# KiCad board Rogelio Pineda part 8-AMLDC-2044B.kicad_pcb (continued)
## Routing (per net, layer and track width the routed paths; a pad name or vN(x,y) marks a point on that pad's centre or on a via; arc(x,y) is an arc through that point) (continued)
H2p9: length 309.5
  Top w0.15: 170.09,184.77 169.52,181.04 169.47,179.7 169.32,178.26 ; 170.05,184.48 170.8,187.78 171.27,190.19 171.66,193.16 171.71,196.98 171.33,200.12 170.58,202.15 169.64,204.13 169.24,205.71 169.11,208.54 169.11,210.11 168.99,229.65 169.06,229.71 169.06,239.05 169.11,239.4 168.96,260.26 168.93,260.29 168.82,284.04 168.83,285.46 168.79,287.05 169.14,290.95 169.3,291.75 v1(169.61,293.65) 169.44,294.66 168.89,298.04 168.87,307.69 ; v1(168.53,110.16) 168.53,110.81 169.32,112.16 169.76,113.4 170.06,114.67 169.87,117.57 169.78,118.21 169.59,120.17 170.41,123.32 170.83,124.12 171.11,124.69 171.42,125.53 171.81,127.17 171.9,133.23 171.87,136.31 171.66,144.19 171.61,146.25 171.65,153.61 171.21,155.61 170.91,156.31 169.85,159.49 169.55,160.59 169.09,163.23 169.15,168.07 169.12,169.44 169.15,173.38 169.27,176.56 169.36,178.47 ; 168.87,307.36 168.67,322.38 168.84,331.67 168.93,346.07 168.93,347.48 169.02,352.39 169.02,354.71 169.92,356.81 170.12,357.28 v1(170.62,358.58)
  Bottom w0.15: UH2.9 201.28,296.56 200.49,295.33 199.57,294.72 198.52,294.39 196.48,294.15 194.82,294.22 181.67,294.04 179.98,294.06 175.54,293.75 174.26,293.61 171.46,293.4 170.89,293.4 170.66,293.46 170.14,293.65 v1(169.61,293.65) ; v1(170.62,358.58) 169.8,358.5 168.04,359.08 167.45,359.96 167.1,360.56 166.66,361.26 166.15,362.31 164.99,363.68 164.49,364.09 163.4,364.27 162.84,364.15 162.03,363.77 UD1.6 ; v1(168.53,110.16) 167.96,110.08 167.46,110.08 166.21,110.24 164.92,110.53 163.11,110.81 162.66,110.85 162.39,110.86 161.56,110.86 160.89,110.89 159.99,110.74 158.77,110 UT1.5
H2p12: length 285.6
  Top w0.15: UH2.5 198.38,291 197.71,291.84 197.27,292.57 196.51,293.59 ; 303.86,299.73 303.86,299.68 v1(303.83,299.65) 303.86,299.63 303.86,297.53 ; 237.78,300.66 v1(237.78,300.62) 237.82,300.62 237.66,295.26 237.59,294.72 237.41,292.87 237.05,291.52 UH3.4 ; UF7.2 382.43,319.55 382.25,318.8 382.13,318.3 381.75,317.36 381.64,316.85 381.45,315.38 381.45,294.9 381.14,294.59 381.31,293.42 381.48,292.5 381.58,290.34 382.32,288.3 382.46,287.48 v1(382.48,286.9) 382.32,286.6 382.45,285.6 382.33,284.54 381.85,283.04 381.55,281.87 381.4,281.5 381.12,280.81 380.94,280.55 380.99,280.5 v1(380.99,280.45) 381.04,280.45 381.07,280.43 ; v1(318.62,293.25) 318.43,276.32 v1(318.55,274.25) ; 196.51,293.59 195.9,293.59 194.18,291.71 UH2.3 ; 196.51,293.59 196.17,294.07 195.19,295.43 193.66,297.21 UH2.12 ; UH5.12 303.72,295.55 303.69,295.94 303.86,297.57
  Bottom w0.15: v1(318.62,293.25) 317.46,293.25 317.31,293.09 316.77,292.86 316.45,292.75 315.54,292.69 315.11,292.65 314.19,292.57 311.4,292.57 311.03,292.53 310.98,292.5 306.4,292.5 305.27,292.75 304.76,293.25 UH5.12 ; 376.64,279.8 374.37,279.71 370.81,279.51 365.94,279.59 365.81,279.62 364.68,279.62 363.44,279.79 361.2,279.98 357.58,280.12 355.07,279.97 353.89,279.54 353.76,279.47 353.48,278.99 UJ6.10 353.16,276.41 352.07,275.35 349.99,275.12 347.93,275.12 346.88,275.11 343.35,275.08 342.74,275.09 342.64,275.09 341.06,275.09 341.05,275.1 337.29,274.99 334.61,274.98 333.92,274.96 333.39,274.89 331.62,274.79 330.43,274.76 329.2,274.72 328.62,274.66 327.5,274.69 324.87,274.54 324.05,274.48 321.34,274.4 320.37,274.4 v1(318.55,274.25) ; 376.64,279.8 379.23,280.16 379.91,280.22 380.08,280.25 380.46,280.31 v1(380.99,280.45) ; 376.64,279.8 376.77,279.81 ; UH2.12 193.89,298.62 194.19,299.07 194.94,299.69 196.1,300.23 200.33,300.7 201.69,300.97 204.56,301.2 206.01,301.35 210.55,301.93 211.89,302.07 217.6,302.31 218.46,302.36 226.81,302.41 227.06,302.41 227.55,302.4 231.22,302.28 234.39,301.61 236.3,301.1 237,300.96 v1(237.78,300.62) 238.2,300.82 238.83,300.72 239.41,300.71 241.56,300.57 242.73,300.54 248.38,300.31 251.36,300.06 257.28,299.85 260.12,299.95 266.67,299.95 270.24,299.98 292.83,299.67 294.03,299.72 300.02,299.72 300.03,299.71 300.61,299.75 301.84,299.85 ; v1(303.83,299.65) 303,299.87 301.71,299.85
H2p13: length 334.9
  Top w0.15: v1(374.63,163.57) 375.21,188.48 375.09,240.14 375.15,252.88 375.15,253.58 v1(374.9,253.83) ; v1(337.02,252.72) 336.85,253.71 336.72,255.33 336.71,257.23 336.59,258.45 336.64,265.99 336.62,266.72 336.62,267.66 336.61,273.69 336.61,280.07 336.68,280.14 336.68,287.8 336.82,290.09 336.86,290.44 336.96,291.94 337.04,293.78 337.12,294.59 v1(337.09,295.84)
  Bottom w0.15: 293.07,300.9 292.82,300.9 ; 292.82,300.9 289.45,300.94 274.35,300.93 270.4,301.29 269.98,301.36 269.11,301.42 263.95,301.9 261.57,302.31 258.79,303.13 255.59,303.87 254.32,304.02 253.1,304.16 250.43,304.5 247.83,304.71 246.25,304.77 245.94,304.81 244.06,304.85 242.81,304.86 240.68,304.98 240.13,304.96 238.65,305.02 236.42,305 224.03,304.59 219.3,304.31 217.91,304.22 215.93,304.11 211.51,303.85 211.42,303.76 211.4,303.79 207.51,303.64 206.75,303.62 206.23,303.56 205.05,303.43 203.88,303.3 201.76,303.07 200.64,302.73 197.95,302.19 196.6,301.76 195.82,301.36 ; 292.82,300.9 297.31,300.9 297.82,300.95 299.25,301.07 300.59,301.18 301.66,301.28 303.01,301.46 304.8,301.35 305.79,301.06 307.53,300.31 310.21,298.8 312.59,298.1 313.98,297.93 316.53,297.84 318.74,297.77 322.64,297.61 322.87,297.56 324.22,297.53 328.83,297.2 330.5,297 333.53,296.65 333.63,296.6 334.48,296.46 336.26,296.19 337.09,295.98 v1(337.09,295.84) ; UP7.3 UP7.2 380.71,162.74 380.22,163.3 379.42,163.73 378.14,164.16 377.38,164.1 376.88,164.08 376.11,164.11 375.12,163.98 v1(374.63,163.57) ; UH2.13 191.58,297.67 191.92,299.18 193.5,300.34 194.88,301.02 195.82,301.36 ; 195.82,301.36 195.83,301.38 ; v1(337.02,252.72) 338.04,252.61 338.9,252.47 340.94,251.83 342.86,251.6 344.34,251.53 347.24,251.5 348.1,251.47 349.38,251.45 350.32,251.44 351.24,251.34 352.23,251.68 352.66,252.09 352.9,252.51 UK6.5 353.82,254.68 354.19,255.19 355.05,255.92 355.27,256.07 356.18,256.45 356.88,256.48 358.31,256.33 359.27,256.23 359.28,256.25 361.75,256.1 364.11,255.93 365.84,255.8 368.51,255.22 372.21,254.39 372.93,254.27 373.51,254.14 374.1,254.07 374.9,253.85 v1(374.9,253.83)
H3p2: length 107.3
  Top w0.15: v1(286.5,327.83) 286.3,326.31 286.39,317.97 286.66,300.5 286.12,297.01 285.87,295.16 286.44,291.68 v1(286.44,290.99)
  Bottom w0.15: UH3.2 232.12,290.97 232.36,291.29 233.2,292.17 233.85,292.64 234.42,292.86 235,292.98 249.52,292.91 251.75,293.34 253.04,293.41 254.75,293.42 255.89,292.97 257.3,292.03 258.64,291.36 260.12,290.78 262.11,290.6 263.54,290.59 266.13,290.65 281.65,290.97 285.88,291.17 286.2,290.99 v1(286.44,290.99) ; v1(286.5,327.83) 286.21,328.12 284.59,328.2 282.35,328.12 279.51,327.65 278.43,327.4 275.97,327.42 275.1,328.23 UF4.9
H3p3: length 103.4
  Top w0.15: 255.36,346.2 255.38,346.06 ; 255.38,346.06 255.55,345.17 255.87,336.06 255.86,335.25 255.82,332.87 255.84,328.62 255.58,325 255.65,324.57 255.25,321.54 254.82,318.21 254.48,314.02 253.95,307.73 253.82,302.97 253.88,302.28 254.03,297.82 254.15,296.82 254.54,294.56 254.78,293.06 v1(255.29,291.17) ; 255.38,346.06 255.32,346.34 v1(255.29,347.17)
  Bottom w0.15: v1(255.29,291.17) 254.78,291.17 254.44,291.26 253.47,291.28 249.29,291.54 245.36,291.99 240.12,291.97 238.31,292 237.15,292.07 235.6,291.97 235.02,291.48 234.41,290.36 UH3.3 ; UE4.8 276.15,349.15 274.8,349.15 274.38,348.73 UE4.9 273.51,346.99 272.9,346.27 271.36,345.64 264.48,345.33 262.9,345.27 261.72,345.3 258.98,345.4 257.7,345.85 257.22,346.01 256.14,346.73 v1(255.29,347.17)
H3p5: length 189
  Top w0.15: 238.87,283.2 v1(238.87,283.39) 238.87,288.1 239.17,288.41 UH3.5 ; v1(294.04,273.9) 293.76,274.18 v1(293.76,278.24) 294.21,279.58 294.41,281.77 294.37,282.49 294.3,284.56 294.21,286.41 294.22,288.7 294.12,298.01 294.15,313.44 294.25,317.92 294.22,319.46 294.15,320.52 294.17,323.6 294.01,331.66 293.97,338.31 293.94,338.34 293.94,340.36 v1(293.86,340.43)
  Bottom w0.15: UE5.1 297.21,340.79 295.4,340.67 v1(293.86,340.43) ; v1(293.76,278.24) 292.31,278.6 290.82,278.9 288.4,279.28 284.03,280.35 281.62,280.45 278.91,280.55 274.84,280.68 274.19,280.64 272.47,280.74 267.54,280.99 265.98,281.22 264.1,281.27 262.8,281.47 259.37,281.58 256.11,281.93 254.47,282.16 250.92,282.55 248.39,282.85 243.78,283.4 241.57,283.37 240.72,283.3 240.17,283.39 v1(238.87,283.39) ; UJ6.12 348.13,276.71 347.19,276.24 332.2,276.07 329.04,276.03 322.16,276.25 319.97,276.46 314.2,276.71 309.47,276.45 304.05,275.72 301.78,275.37 298.1,274.74 297.29,274.61 295.44,274.4 294.48,274.2 v1(294.04,273.9)
H3p9: length 7.6
  Top w0.15: UH3.9 241.57,295.47 241.55,292.56 UH3.6
H3p11: length 3.5
  Bottom w0.15: UH3.10 238.48,297.88 238.31,298.04 238.05,298.1 237.11,298.1 236.63,297.62 UH3.11
H4p2: length 16.6
  Bottom w0.15: UH4.2 264.33,288.13 264.07,288.85 263.33,289.19 262.73,289.43 258.2,289.34 253.63,289.17 251.64,288.99 R48.1
H4p4: length 92.5
  Top w0.15: v1(289.07,288.37) 289.29,290.25 289.48,292.19 289.85,294.08 290.15,298.4 290.11,300.55 290.15,304.05 290.08,304.92 v1(290.09,305.25)
  Bottom w0.15: v1(290.09,305.25) 290.83,305.73 291.5,306.06 292.44,306.54 293.33,306.9 ; v1(289.07,288.37) 289.07,288.44 287.83,288.66 285.75,288.87 282.42,289.5 276.55,289.69 272.31,289.69 270.64,289.26 269.96,288.73 269.46,288.17 UH4.4 ; 293.33,306.9 293.43,306.94 ; 293.33,306.9 294.8,307.18 296.4,306.99 308.45,307.21 312.65,307.85 318.65,307.98 320.97,307.71 323.93,306.83 325.66,306.22 326.7,305.95 328.35,305.47 331.69,304.94 334.33,304.75 339.07,304.67 UG6.1
H4p6: length 6.3
  Top w0.15: C11.1 271.44,283.19 271.83,283.63 272.08,284.1 272.76,284.94 273.06,285.44 274.23,286.81 UH4.6
H4p7: length 7
  Top w0.15: R67.1 276.86,282.15 C11.2 276.97,282.27 276.97,284.22 276.89,284.41 276.81,284.99 276.82,285.67 UH4.7
H4p10: length 77.5
  Bottom w0.15: UH6.11 350.8,293.83 350.23,293.47 349.43,292.94 348.6,292.81 332.52,292.88 330.84,292.89 325.84,293.25 324.58,293.28 322.24,293.18 321.53,293.08 320.99,292.92 320.6,292.67 320.15,292.4 319.41,292 319.11,291.87 318.5,291.57 318.1,291.49 315.12,291.49 307.68,291.49 307.05,291.48 306.04,291.61 304.66,291.93 302.46,292.65 301.33,292.73 299.87,292.69 294.98,292.91 293.58,293.03 293.1,293.15 292.42,293.28 288.53,294.11 285.25,295.46 283.92,296 280.89,296.95 279.86,297.03 278.71,296.97 277.74,296.68 UH4.10
H4p12: length 58.2
  Top w0.15: UG4.10 276.77,311.78 276.2,311.3 275.99,310.85 275.65,310.18 275.53,309.79 275.43,309.23 275.4,307.9 275.34,303.97 275.42,302.55 275.42,302.19 275.22,300.58 274.81,299.68 274.32,298.86 273.66,297.85 272.79,296.84 271.69,295.65 UH4.12
  Bottom w0.15: UH4.12 271.69,295.55 272.07,296.18 272.54,296.7 273.34,297.53 274.05,298.07 275.11,298.62 275.76,298.87 277.89,298.87 281.75,298.84 293.93,298.71 295.84,298.71 296.24,298.68 298.9,298.52 299.79,298.53 301.58,298.35 302.98,298.16 304.67,297.2 305.41,296.58 305.99,295.75 UH5.11
H4p14: length 5.5
  Top w0.15: UH4.14 266.61,296.14 266.79,296.74 267.34,297.34 268.46,297.72 C56.2
H4p15: length 9.6
  Bottom w0.15: R47.2 258.88,297.94 260.61,297.99 261.37,298.02 262.68,297.9 C56.1 264.07,296.99 UH4.15
H5p1: length 61.9
  Bottom w0.15: UH6.8 357.9,293.69 357.49,293.3 356.32,292.49 354.55,291.84 352.15,291.61 349.85,291.54 348.99,291.47 347.68,291.43 347.32,291.42 346.47,291.43 343.77,291.46 342.65,291.38 340.11,291.13 339.16,291.05 335.27,290.61 333.44,290.42 328.87,289.9 326.07,289.5 322.82,289.03 318.77,288.86 317.66,288.89 309.59,289.19 307.42,289.24 305.65,289.22 304.78,289.26 303.61,289.27 303.17,289.24 301.9,289.29 301.55,289.26 300.4,289.16 299.43,288.18 UH5.1
H5p2: length 279.4
  Top w0.15: 212.27,201.43 212.17,186.03 212.21,185.98 212.21,178.72 212.26,178.67 212.3,170.73 212.27,169.43 212.47,166.76 212.93,162.47 ; 211.4,108.69 211.4,108.7 v1(211.39,108.7) 211.4,108.71 211.4,109.53 211.5,109.63 211.71,110.48 211.68,110.69 211.92,111.69 212.11,112.76 212.39,114.54 212.6,115.67 212.9,118.17 213.07,119.55 213.08,126.58 213.07,127.95 213.11,134.16 213.02,138.45 213.07,139.42 213.03,140.53 213.07,143.82 213.09,145.12 212.79,159.19 212.93,162.64 ; 212.27,201.05 212.3,203.8 212.58,205.4 212.54,205.45 212.54,212.8 212.35,214.47 212.03,226.63 212.09,229.63 212.17,233.42 212.5,235.28 213.1,238.43 213.63,243.02 213.89,247.05 213.08,258.73 213.1,280.01 212.96,280.93 213.14,281.69 v1(213.24,284.96)
  Bottom w0.15: UH5.2 301.32,285.75 301.21,285.63 300.76,285.23 300.19,285.13 298.34,284.83 297.81,284.79 297.14,284.78 296.47,284.67 295.83,284.7 295.45,284.7 293.33,284.7 ; 293.33,284.7 293.42,284.71 ; 293.33,284.7 292.36,284.68 285.8,284.97 282.22,285.04 274.3,285.01 268.72,284.89 262.26,284.94 260.13,285.3 257.58,285.93 256.25,286.09 240.76,285.93 234.61,285.93 231.67,285.89 226.19,285.75 224.98,285.63 220.58,285.32 219.3,285.34 215.7,285.24 214.73,285.17 v1(213.24,284.96) ; v1(211.39,108.7) 210.49,108.28 210.04,107.95 209.02,107.27 208.1,106.79 207.21,106.44 205.62,106.14 204.43,106.06 203.2,106.21 201.52,107.27 UT2.6
H5p3: length 55.1
  Bottom w0.15: UH5.3 303.84,285.5 304.51,284.64 305.82,284.23 307.1,284.22 309.33,284.18 310.42,284.04 311.11,283.86 313.14,283.09 315.37,283.27 317.6,283.34 319.24,283.6 320.93,283.69 323.54,283.96 325.9,284.15 327.27,284.23 328.76,284.33 331.59,284.47 332.57,284.57 333.77,284.6 336.24,284.78 337.81,284.84 339.81,284.87 341.4,284.91 343.55,284.97 353.91,285.11 354.96,285.47 355.5,285.73 UH6.6
H5p5: length 226.2
  Top w0.15: v1(410.78,393.54) 411.56,392.45 411.46,375.53 411.47,373.61 411.34,367.65 411.4,366.64 411.35,362.63 411.32,359 411.3,355.72 411.27,354.38 411.15,347.52 411.14,346.99 411.19,346.19 411.06,340.55 410.92,338.9 410.67,338.18 410.31,334.62 410.23,331.89 410.05,325.51 410.07,323.36 410.18,322.21 410.23,321.47 410.46,319.89 410.6,319.1 410.94,316.59 411.14,314.5 411.34,312.2 411.26,309.95 411.18,309.16 411.14,308.37 410.9,307.16 410.57,305.19 ; v1(410.28,293.09) 410.18,294.67 409.94,296.64 409.83,297.68 409.89,298.61 409.89,298.85 409.84,298.71 409.93,301.32 410.11,302.65 410.38,304.15 410.58,305.24 ; 308.74,282.1 308.74,282.14 v1(308.8,282.2) 308.74,282.27 308.74,285.65 308.74,285.76 308.77,286.05 UH5.5
  Bottom w0.15: v1(308.8,282.2) 310.19,282.2 310.58,282.17 312.16,281.97 312.4,281.97 312.88,281.96 314.51,281.92 314.72,281.89 315.58,282 316.96,282.05 317.67,282.11 318.52,282.19 319.32,282.21 320.11,282.26 323.39,282.46 325.58,282.63 327.75,282.84 329.46,283.03 333.4,283.42 335.47,283.74 343.11,283.77 343.52,283.82 344.76,283.93 353.12,284.07 355.25,284.5 358.46,284.96 360.84,285.59 363.04,286.42 364.42,286.86 369.41,286.43 370.43,286.4 371.6,286.17 373.09,285.38 373.85,285.13 375.37,284.87 377.1,284.28 393.99,284.06 394.88,284.17 396.22,284.77 397.2,286.36 397.81,288.01 398.59,289.86 399.15,290.42 399.77,290.89 401.58,291.68 404.67,292.36 409.09,292.85 v1(410.28,293.09) ; UB8.3 UB8.2 419.69,392.27 420.02,393 418.94,393.81 417.12,394.23 415.61,394.16 412.81,393.98 411.58,393.69 v1(410.78,393.54)
H5p8: length 49.8
  Top w0.15: UG6.13 345.62,311.06 345.53,310.63 345.07,309.29 344.74,308.31 344.74,305.46 344.58,305.3 344.74,302.79 344.72,302.03 344.95,301.07 345.13,300.52 345.5,299.51 345.83,298.85 v1(346.79,297.79) 346.69,297.83
  Bottom w0.15: v1(346.79,297.79) 344.91,297.95 342.9,297.85 342.22,297.6 341.55,297.06 340.38,296.13 339.91,295.68 338.64,294.42 335.67,294.08 333.07,294.53 331.82,294.65 330.59,294.85 329.74,294.91 328.72,295.05 327.07,295.32 325.55,295.43 324.46,295.52 322.9,295.63 319.7,295.82 317.31,295.77 316.06,295.62 315.64,295.55 315.1,295.35 UH5.8
H6p3: length 5.1
  Bottom w0.15: UH6.5 UH6.4 UH6.3
H7p1: length 31.5
  Top w0.15: 392.92,300.77 393.21,299.64 393.18,299.13 393.32,298.4 393.3,298.38 ; 392.99,300.44 392.68,301.9 UG7.6 ; 393.3,298.38 393.25,298.32 v1(393.3,298.32) 393.3,298.38
  Bottom w0.15: UH7.1 379.91,287.72 381.26,288.85 381.72,289.1 382.47,289.35 383.47,289.47 384.47,289.55 385.64,289.68 388.21,290 389.46,290.28 390.4,290.41 390.77,290.49 392.32,290.89 394.26,291.67 395.58,292.61 396.29,294.08 396.07,296.07 395.1,297.14 394.63,297.32 393.86,297.69 v1(393.3,298.32)
H7p3: length 10.4
  Top w0.15: 384.86,286.6 385.08,286.38 385.34,285.45 385.59,284.84 385.64,284.84 385.78,284.43 386.76,283.04 386.8,282.9 386.89,282.77 387.22,282.46 387.72,281.93 387.9,281.58 388.23,281.21 389.21,279.77 389.74,278.9 UJ7.12
H7p12: length 9.2
  Top w0.15: 384.86,294.22 386.02,292.49 ; 389.94,286.6 389.53,287.49 389.36,287.82 389.19,288.34 388.69,289.15 387.76,290.26 387.44,290.73 387.03,291.27 386.04,292.49
HI DENS: length 278.9
  Top w0.15: 89.19,89.49 89.21,89.51 v1(89.24,89.51) 89.24,89.54 89.86,90.49 90.09,90.9 90.52,91.43 90.73,91.8 91.09,92.22 92.09,94.05 92.69,94.74 93.21,95.84 94.19,98.23 94.25,99.02 94.29,99.88 94.34,101.08 94.27,101.87 94.07,104.8 93.85,105.76 93.77,106.28 93.78,106.27 93.42,109.44 93.37,110.26 93.37,111.42 93.46,112.57 93.58,114.09 93.67,115.08 93.78,116.16 94.07,118.77 94.05,119.4 94.12,119.78 93.93,121.1 93.75,122.38 93.25,123.69 92.84,124.55 92.21,125.64 91.91,126.02 90.44,128.06 90.23,128.27 89.68,128.89 88.75,129.47 88.27,129.78 87.19,130.03 85.54,129.91 85.15,129.76 84.22,129.28 84.02,129.1 83.84,128.89 v1(83.49,128.67) 82.6,128.01 82.15,127.38 80.74,126.51 J2.49 ; v1(174.88,162.68) 175.09,127.11 174.98,126.08 174.94,124.22 174.87,122.48 174.53,119.33 174.43,118.14 174.14,116.11 173.55,112.62 173.13,109.2 172.83,107.2 172.35,104.62 172.11,103.13 172.01,102.17 171.62,98.94 171.29,91.5 171.3,87.57 171.08,82.06 171,80.75 170.91,77.8 170.28,71.09 170.19,70.4 169.98,68.36 169.92,67.69 169.73,65.02 169.66,64.28 v1(169.45,63.57)
  Bottom w0.15: v1(169.45,63.57) 168.35,63.3 166.35,63.17 164.67,62.98 159.75,62.58 157.15,62.45 156.68,62.37 155.68,62.3 153.08,62.09 151.82,61.97 150.12,61.77 148.48,61.65 147.03,61.44 145.32,61.58 143.23,61.81 142.06,62.55 141.06,62.49 140.09,61.95 136.99,61.75 136.45,61.73 135.01,61.33 133.43,61.21 126.92,61.35 126.01,61.38 124.84,61.4 122.09,61.48 121,61.49 118.98,61.55 118,61.55 116.49,61.6 115.58,61.63 114.28,61.66 111.24,61.77 110,61.77 108.89,61.81 107.97,61.83 106.66,62.32 105.78,62.78 104.99,63.47 104.57,63.85 103.26,65.29 102.6,66.04 102.12,66.77 101.44,67.67 100.81,68.52 99.19,70.79 98.61,71.71 97.33,73.72 96.54,75.09 95.49,76.97 95.03,77.82 94.16,79.42 93.88,80.08 92.8,81.94 91.87,83.61 90.94,85.43 90.41,86.46 89.24,88.66 v1(89.24,89.51) ; v1(174.88,162.68) 174.95,162.68 175.98,162.95 176.52,163.29 178.02,164.01 179.03,164.64 179.76,165.13 180.93,165.77 182.24,166 183.54,166.02 184.12,165.98 185.49,165.5 188.53,165.38 192.45,165.33 193.8,165.36 195.61,165.36 196.65,165.15 196.99,165.06 197.58,164.7 198.33,163.84 UP2.4
INTA: length 66.4
  Top w0.15: v1(82.15,331.87) 82.47,331.87 84.07,334.47 84.97,337.92 86.35,342.63 87.76,346.2 88.17,347.04 90.7,350.74 90.93,350.74 v1(91.07,350.87)
  Top w0.25: R53.2 111.51,339.97 113.44,340.8 114.43,341.36 115.02,341.96 UE0.3
  Bottom w0.15: v1(91.07,350.87) 90.9,349.98 90.48,348.75 90.36,348.14 90.05,344.35 90.11,341.98 90.34,340.19 90.68,339.18 91.26,338.61 91.84,338.34 92.84,338.09 93.69,338.04 94.32,337.94 94.99,337.93 95.67,337.91 99.02,338.19 99.61,338.24 100.19,338.24 100.76,338.32 104.03,338.73 108.72,339.22 R53.2 ; J1.40 81.06,331.69 v1(82.15,331.87)
IO PLS: length 96.7
  Bottom w0.15: J1.74 80.74,277.07 84.29,278.82 86.61,280.36 87.61,281.79 88.14,283.48 88.34,285.56 88.29,287.74 88.37,288.36 88.24,289.38 87.77,292.6 88.26,294.66 88.45,295.51 88.36,296.78 88.04,297.63 87.66,300.89 88.57,305.74 88.35,307.19 88.14,308.55 88.34,314.07 88.87,316.44 89.55,318.42 90.13,320.62 90.22,329.43 89.83,334.2 89.94,335.23 90.47,336 91.41,336.51 92.19,336.72 93.27,336.95 97.55,337.05 100.26,337.05 107.46,337.01 R33.2 110.78,336.75 111.93,337.92 112.28,339.04 112.41,339.79 112.08,340.52 111.74,340.94 110.99,341.9 UE0.1
IO RST: length 192.2
  Top w0.25: 157.94,402.99 158.25,404.84 157.15,406.17 156.27,406.46 155.25,406.57 153.91,406.61 R77.1
  Bottom w0.15: R77.1 147.19,405.71 145.2,405.28 139.61,404.85 136.55,404.46 133.11,403.31 130.51,402.6 126.21,401.98 125.04,401.99 120.35,402.8 116.37,403.59 113.58,403.6 108.97,402.45 104.19,400.49 101.82,399.44 97.61,397.35 95.3,395.64 93.55,394.13 92.37,392.66 90.83,390.76 90.35,390.01 89.64,387.39 89.46,384.57 89.37,382.7 89.97,373.8 90.67,370.01 90.65,367.86 90.71,364.14 90.48,361.71 89.54,357.23 89.41,350.9 89.13,338.27 89.07,326.91 88.96,322.28 87.96,317.74 87.47,315.18 87.56,313.45 87.21,308.1 87.51,305.29 87.21,303.02 86.83,301.61 86.67,298.85 87.17,297.55 87.42,295.05 86.93,292.55 86.98,289.56 87.3,287.76 87.17,286.97 86.93,286.03 86.34,285.14 84.69,284.2 83.24,283.93 81.13,283.65 80.17,283.57 J1.70
J0p2: length 51
  Bottom w0.2: 112.48,270.61 113.92,272.24 115.12,273.07 116.43,273.47 126.44,273.51 128.24,273.56 129.55,273.6 132.18,273.81 135.91,274.15 144.32,274.19 153.04,273.82 157.82,273.72 159.7,272.55 UJ1.6
J0p4: length 259.9
  Top w0.15: 151.94,119.31 152.29,119.08 153.12,118.12 UT1.12 153.09,116.06 153.37,115.74 152.44,113.36 152.26,112.53 151.9,111.44 151.47,110.27 151.01,109.53 UT1.2 ; 151.94,119.31 150.47,120.31 149.59,120.91 149.04,121.27 148.09,122.11 147.69,122.53 147.15,123.29 146.84,124.21 146.81,125.41 146.84,125.44 146.84,137.16 146.91,137.23 146.86,154.25 147.37,155.62 147.9,156.48 148.13,156.96 148.78,158.02 149.52,159.26 149.9,159.99 UP1.2 151.21,163.96 151.54,164.95 152.05,166.57 152.43,167.45 UP1.12 153.99,168.26 154.42,166.85 155.08,164.95 ; 151.94,119.31 152.23,119.01 ; v1(175.14,165.74) 174.78,186.4 174.99,193.38 174.87,200.22 174.99,205.08 175.2,214.84 175.39,236.46 175.49,244.5 175.75,268.06 v1(175.82,268.7) ; 155.08,164.95 155.28,164.47 155.36,163.99 ; 155.08,164.95 162.04,164.95 v1(162.06,164.98) 162.09,164.95 162.21,164.95 ; 155.35,164.06 UP1.4
  Bottom w0.2: v1(162.06,164.98) 162.27,164.98 163.21,164.83 164.21,164.9 164.72,164.9 165.71,164.97 167.36,165.11 168.25,165.15 169.9,165.29 171.05,165.25 172.94,165.11 174.65,165.26 v1(175.14,165.74) ; v1(175.82,268.7) 175.53,268.45 175.05,268.26 173.97,267.93 172.97,267.58 168.51,267.32 162.66,267.45 160.99,267.77 159.43,268.63 158.55,269.46 UJ1.5 157.1,272.37 155.61,272.79 153.87,272.85 149.06,272.87 147.75,272.87 135.74,273.11 129.39,272.3 124.25,272.51 122.56,272.61 121.27,271.92 121.04,271.69 UJ0.5 117.56,270.61
J0p9: length 103.4
  Top w0.15: v1(158.66,266.87) 159.8,267.39 160.64,267.93 161.05,268.35 161.68,269.14 162.02,270.32 162.03,272.09 162.08,273.28 v1(162.16,276.43) ; UJ2.12 195.15,276.44 196.25,274.77 196.9,273.71 197.1,273.27 197.75,272.38 198.39,271.52 UJ2.5 198.37,271.59
  Bottom w0.2: v1(158.66,266.87) 157.74,266.87 156.13,266.14 155.65,265.75 155.25,265.33 154.1,263.73 153.77,263.26 153.46,262.63 UK1.12 ; UJ2.12 193,277.25 192.85,276.78 191.89,276.07 190.78,275.51 189.51,275.25 188.03,275.13 185.1,274.89 183.76,274.93 179.96,275.04 178.18,275.08 177.96,275.12 174.99,275.24 174.13,275.33 169.42,275.44 163.73,275.59 162.85,275.81 v1(162.16,276.43) 162.16,275.92 161.5,275.72 161.05,275.73 159.55,275.8 157.68,275.93 155.19,276.01 154.72,276.04 152.49,276.13 150.39,276.31 145.4,276.5 139.71,276.64 139.1,276.66 134.59,276.54 129.66,276.05 128.84,276.04 125.96,276.01 124.66,276.46 122.64,278.23
J0p10: length 53.7
  Top w0.15: UH1.3 152.63,286.93 152.49,285.82 152.15,284.25 151.89,283.39 v1(151.81,282.24) 151.89,282.2 152,282.09
  Top w0.25: 120.28,282.88 120.31,282.91 v1(120.31,282.85) 120.25,282.85 120.34,281.63 UJ0.10 119.5,276.78 118.2,276.28 117.35,276.25 115.86,276.22 114.79,276.28 113.84,276.71 112.99,277.3 112.48,278.23
  Bottom w0.2: v1(151.81,282.24) 150.81,282.24 150.16,282.3 149.66,282.27 149.04,282.25 148.08,282.25 126.42,282.49 124.47,282.54 120.8,282.58 v1(120.31,282.85)
J1p1: length 298.2
  Top w0.15: 196.7,236.87 196.57,234.19 196.37,231.81 196.27,231.28 UL2.11 ; 200.03,246.01 v1(200,246.11) 198.26,244.38 198.26,244.28 196.99,241.73 196.69,236.67 ; UJ1.1 148.44,269.49 148.76,268.43 148.99,267.52 149.09,266.46 149.35,261.81 149.29,260.92 149.39,259.6 149.46,259.42 149.3,258.86 149.35,257.42 148.97,256.12 UK1.1 148.17,252.33 148.27,251.66 148.44,250.74 148.89,248.46 149.17,247.32 149.5,245.4 149.55,245.36 v1(149.59,245.36) 149.59,245.31 ; UL7.13 382.24,229.79 382.72,231.37 382.72,231.9 382.85,233.48 383.03,234.78 382.95,236.1 v1(383.01,239.16) 383.11,239.18
  Bottom w0.15: 292.89,252.11 294.55,252.44 295.91,252.59 302.43,252.62 302.46,252.64 309.45,252.64 310.41,252.53 311.29,252.37 311.94,252.37 312.83,252.04 313.65,250.99 314,250.38 314.7,249.31 316.01,247.13 317.19,246.21 318.34,245.59 320.2,244.71 321.47,244.03 323.44,243.12 324.95,242.26 327.34,240.78 328.66,240.23 330.46,239.22 332.47,238.19 334.17,237.28 335.78,236.99 336.74,236.85 341.44,236.85 342.65,236.89 344.69,237.26 345.41,237.66 348.13,238.52 350.58,238.93 357.35,239.13 362.86,239.15 375.13,238.94 v1(383.01,239.16)
  Bottom w0.2: v1(149.59,245.36) 150.99,245.53 152.2,245.67 156.12,246.04 162.42,246.39 170.02,246.25 172.88,246.39 174.76,246.45 177.61,246.59 184.1,246.76 185.18,246.74 187.97,247 190.22,246.92 191.39,246.85 194.57,246.18 196.74,245.51 197.47,245.51 197.74,245.54 198.54,245.57 199.33,245.56 v1(200,246.11) 201.03,246.27 202.18,246.83 203.79,247.09 204.9,247.14 213.52,247.42 215.39,247.61 217.72,248.24 223.57,248.92 228.13,249.09 228.16,249.06 236.01,248.95 237.54,249 241.09,249.04 248.51,249.19 250.74,250.1 253.16,251.12 256.13,252.45 257.88,253.29 259.83,254.16 261.94,254.87 263.8,255.81 266.56,256.26 269.13,256.08 270.17,255.76 273.98,254.7 277.32,253.66 280.05,252.9 282.24,252.13 284.13,251.58 285.68,251.07 286.81,251.04 289.06,251.11 291.12,251.72 291.56,251.82 292.3,252.01 292.89,252.11
J1p12: length 416.5
  Top w0.15: 269.28,66.1 269.2,65.96 269.2,64.57 ; 269.28,66.1 269.85,67.22 270.05,68.27 270.34,69.37 270.62,72 270.58,72.84 270.72,78.93 270.59,80.13 270.48,82.69 270.33,83.39 270.23,84.42 270.1,85.47 270.07,85.76 270.03,85.96 269.71,87.76 269.5,88.31 UU4.4 ; 269.28,66.1 269.28,64.98 UV4.4 269.99,64.12 269.99,63.79 270.44,63.18 270.89,62.69 271.75,61.83 271.97,61.52 272.09,61.36 272.44,61.05 272.87,60.14 273.03,57.71 273.06,55.87 273.12,53.48 273.74,51.88 274.01,51.42 275.21,49.73 275.51,49.27 275.86,48.75 276.38,48.21 UW4.7 ; v1(175.9,71.59) 175.33,71.59 175,71.92 175.22,88.52 175.18,93.18 175.2,93.69 175.48,98 175.15,100.02 174.17,103.34 174.34,104.91 174.47,105.78 174.93,110.67 174.98,111.74 175.55,117.29 175.71,119.13 176.09,125.94 176.06,154.15 ; 176.05,206.27 175.99,204.88 175.93,204.27 175.85,203.14 175.93,200.85 176.03,199.2 176.05,198.77 175.89,187.77 175.97,185.14 175.87,179.04 175.86,177.48 175.86,173.04 175.87,172.51 176.02,170.37 176.09,170.18 176.33,167.71 176.54,166.91 176.46,163.02 176.31,161.51 176.06,153.73 ; v1(182.41,277.24) 182.04,275.71 181.73,274.6 181.65,273.89 181.51,272.02 181.51,269.11 181.47,269.07 181.21,220.45 180.94,219.11 180.3,217.29 179.45,215.24 178.6,213.25 177.57,210.64 175.98,206.03
  Bottom w0.15: 234.24,58.48 229.6,58.08 224.47,58.03 223.18,58.06 221.35,58.4 217.35,60.31 216.12,60.84 214.58,61.9 212.92,62.87 211.18,63.92 209.03,65.2 207.97,65.91 204.96,67.34 199.91,67.46 198.96,67.39 197.04,67.39 189.45,67.32 186.98,67.51 184.62,67.85 182.84,68.25 180.2,69 178.52,69.72 177.25,70.5 176.26,71.01 v1(175.9,71.59) ; 234.24,58.48 234.24,56.32 UW3.12 ; 234.24,58.48 235.75,58.48 236.3,58.47 237.07,58.59 237.67,58.62 239.7,58.9 240.25,59.07 242.06,59.25 244.16,59.15 244.86,58.97 246.78,58.17 248.23,57.43 249.72,56.71 253.07,54.93 254.97,54.19 256.1,53.86 260.52,53.08 264.14,53.01 271.88,52.99 273.25,52.87 276.75,52.65 ; 276.75,52.65 292.46,52.65 ; 276.75,52.65 UW4.7
  Bottom w0.2: v1(182.41,277.24) 181.83,277.04 180.55,277.02 175.43,277.64 172.89,278.34 170.04,279.4 165.71,280.88 156.14,280.96 154.68,280.35 154.12,280.03 153.41,279.2 UJ1.12
J2p9: length 248.7
  Top w0.15: v1(249.01,264.44) 248.77,249.01 248.65,246.21 248.59,231.75 248.65,215 248.43,193.63 v1(248.96,170.49)
  Bottom w0.2: v1(248.96,170.49) 248.96,170.37 247.35,169.12 246.31,168.67 245.5,168.28 242.99,168.42 UP3.9 ; v1(249.01,264.44) 248.25,264.63 247.35,264.43 246.9,264.35 245.87,263.92 244.1,263.39 240.05,262.37 239.58,262.28 239.16,262.26 234.83,261.88 233.51,261.71 232.05,261.66 228.19,261.76 226.8,262.2 224.85,263.2 223.67,263.8 222.59,264.51 219.32,266.44 217.64,267.53 215.33,268.84 213.73,269.78 210.54,271.25 206.81,272.39 204.9,272.79 201.56,273.83 200.06,274.76 ; UJ2.9 200.81,275.39 199.03,273.89 196.49,273.37 195.45,273.28 193.78,273.28 ; 193.78,273.28 190.98,273.82 190.11,273.87 188.85,274.04 185.1,273.87 181.44,273.54 179.5,273.4 178.84,273.45 175.66,273.59 174.62,273.65 173.38,273.69 171.42,273.75 166.5,274.16 164.85,274.23 162.3,274.41 155.29,274.97 153.53,275.06 147.27,275.22 145.25,275.29 142.33,275.34 141.44,275.34 136.21,275.46 131.23,274.67 124.29,274.65 121.7,274.6 120.65,274.57 118.09,275.2 115.98,276.78 UJ0.12 ; 193.78,273.28 193.78,272.15 UJ2.3
J2p10: length 283.3
  Top w0.15: UM7.8 394,210.2 393.59,209.18 393.41,208.56 393.19,208.12 393.07,207.46 392.95,206.05 393.03,205.28 393.18,202.87 393.04,201.54 393.07,200.56 393.04,199.53 392.73,198.48 392.47,197.67 392.03,196.6 UN7.9 ; v1(201.89,275.18) 201.82,275.25 201.82,275.28 ; v1(201.89,275.18) 201.82,275.11 201.82,275.08 ; v1(201.89,275.18) 201,275.79 200.01,276.44 199.39,276.82 UJ2.10 ; v1(400.36,249.8) 400.36,247.86 400.34,247.85 400.25,224.92 v1(400.3,211.56)
  Bottom w0.15: 379.44,245.52 379.69,245.5 ; 379.44,245.52 375.88,245.76 351.71,246.2 345.83,246.39 344.99,246.46 344.31,246.55 342.22,246.69 341.47,246.75 340.21,246.92 339.55,247.03 338.12,247.27 336.81,247.58 336.34,247.62 335.47,248.02 334.84,248.28 333.67,249.46 333.1,250.46 332.69,251.26 332.42,252.89 332.28,253.34 332.04,254.43 331.84,255.42 331.49,256.65 331.19,257.7 331.03,258.71 330.78,259.67 330.55,260.07 330.46,260.65 329.8,262.33 329.09,263.44 328.8,263.87 328.73,263.87 327.72,264.82 327.01,265.33 325.87,265.85 324.29,266.19 323.12,266.27 319.12,266.52 318.54,266.56 311.27,266.56 311.21,266.62 311.16,266.57 306.61,266.57 306.59,266.56 301.05,266.44 299.64,266.47 297.82,266.3 296.97,266.16 296.21,266.14 295.73,266.07 294.33,265.97 293.99,265.97 293.03,265.87 ; 379.44,245.52 380.2,245.5 380.61,245.37 381.65,245.29 384.13,245.64 385.57,245.84 388.32,246.41 390,246.94 392.73,247.68 394.53,248.13 395.99,248.42 397.42,248.76 398.57,249.04 ; 293.03,265.87 293.06,265.87 ; 293.03,265.87 291.91,265.86 288.67,265.71 287.08,266.13 285.8,266.32 282.25,266.75 280.04,267.82 279.21,268.27 276.99,269.34 275,269.71 273.73,269.96 272.18,270.13 270.32,270.29 268.58,270.4 267.61,270.41 264.66,270.52 260.03,270.37 259.7,270.38 258.23,270.25 256.53,270 255.3,269.66 253.05,269.22 251.17,268.62 250.2,268.1 248.79,267.28 248.15,266.86 247.19,266.24 245.39,265.22 244.77,264.9 244.16,264.5 242.07,263.88 240.36,263.56 236.29,263.09 235.5,263.01 231.82,262.67 229.38,262.77 227.87,263.04 226.62,263.51 224.76,264.5 224.2,264.84 223.43,265.46 222.22,266.23 219.75,267.94 217.46,269.64 216.59,270.18 215.39,271.13 214.51,271.63 213.26,272.54 212.48,273.02 211.09,273.9 210.29,274.36 209.23,274.94 208.02,275.4 207.65,275.51 203.28,275.5 202.69,275.39 v1(201.89,275.18) ; v1(400.3,211.56) 399.21,211.81 398.76,212.05 396.39,211.86 UM7.8 ; v1(400.36,249.8) 399.25,249.31 398.54,249.01
J2p13: length 260.5
  Top w0.15: UJ2.13 v1(191.05,284.75) 191.12,284.78 191.16,284.81 ; v1(332.57,278.17) 332.79,276.27 332.95,275.44 333.36,271.09 333.26,267.09 333.06,258.79 333.06,257.16 332.95,243.8 332.95,233.26 332.95,212.81
  Bottom w0.15: 345.66,209.87 344.34,209.83 343.93,209.87 343.27,209.88 342.39,210.08 340.81,210.53 339.18,211.01 337.14,211.55 334.86,212.12 333.79,212.42 v1(333.03,212.72) ; 345.66,209.87 345.77,210.11 345.77,210.58 UM6.13 ; 345.66,209.87 345.91,209.87 346.76,209.83 347.31,209.79 348.51,209.75 364.98,209.63 365.45,209.68 367.55,209.94 368.41,210.21 369.1,210.3 370.12,210.56 372.26,211.03 373.28,211.22 374.32,211.15 375.23,211.15 375.7,210.94 375.9,210.84 ; v1(332.57,278.17) 331.74,278.71 331.63,278.75 329.41,279.31 328.2,279.52 326.65,279.86 325.34,280.05 320.93,280.16 319.7,280.13 318.16,280 317.43,279.95 316.27,279.87 315.26,279.72 311.02,279.29 309.3,279.02 309.13,278.94 306.79,278.52 304.99,278.05 303.05,277.55 301.46,277 299.29,276.43 297.86,275.93 296.13,275.8 295.05,275.73 294.41,275.76 293.87,275.85 293.03,275.97 289.91,276.34 288.33,276.57 286.52,276.88 285.05,277.04 282.91,277.16 280.89,277.25 277.81,277.76 277.05,277.76 276.05,277.81 274.7,277.9 273.54,277.95 269.98,278.22 268.19,278.27 263.8,278.7 262.28,278.82 258.98,279.17 257.31,279.37 252.79,279.71 250.91,279.94 246.24,280.52 245.4,280.71 243.97,280.82 242.12,280.9 241.05,280.85 239.65,280.88 237.38,280.91 236.48,280.93 233.7,281.31 232.43,281.39 230.77,281.56 229.23,281.71 228.53,281.79 227.49,281.84 227.02,281.83 214.81,281.86 213.59,281.94 211.22,282.23 208.73,282.39 205.75,282.73 204.57,282.95 202.77,282.95 202.76,282.94 199.84,282.85 199.24,282.85 197.68,282.79 196.3,282.88 195.49,282.98 194.6,283.17 193.22,283.74 192.6,284.15 192.24,284.36 v1(191.05,284.75)
J3p3: length 75.1
  Top w0.15: UF3.14 233.63,330.8 232.79,330.27 232.12,329.94 231.39,329.49 230.74,328.88 230.34,327.92 230.22,327.21 230.15,318.78 230.88,317.38 231.35,316.53 UG3.13 230.97,313.29 230.84,312.89 230.64,312.47 230.35,311.24 229.81,309.52 UG3.1 229.55,306.26 229.73,305.87 230.05,305.27 230.24,304.06 230.32,303.03 230.32,289.3 ; 230.32,289.43 230.25,277.06 230.39,276.73 230.42,275.93 230.61,275.35 231.24,274.37 232.56,272.82 233.48,271.83 UJ3.3
  Bottom w0.15: UG3.13 231.95,314.27 232.53,313.82 233,313.68 233.91,313.29 235.27,313.29 236.56,313.33 ; UG3.10 238.72,314.81 238.82,313.99 237.99,313.44 237.77,313.36 236.44,313.33
J3p4: length 309.6
  Top w0.15: 253.68,342.9 253.68,343.29 253.73,342.49 254.21,338.72 254.42,337.14 254.45,336.71 254.63,334.6 254.52,333.14 254.54,331.9 254.57,329.17 254.18,324.96 253.89,322.13 253.8,320.42 253.38,313.94 252.95,309.83 252.58,306.38 252.55,305.19 252.36,301.42 252.35,298.51 252.32,290.34 252.33,286.65 252.45,282.92 252.51,282.53 252.72,280.44 253.2,277.23 253.42,276.46 253.52,276.46 v1(254.06,275.92) ; UE4.11 269.3,349.07 268.86,349.51 268.86,353.28 v1(268.95,353.28) 268.95,353.37 269.03,353.45 ; UD8.2 419.5,360.13 419.76,360.63 420.46,361.25 422.24,362.1 423.13,362.37 424.84,362.82 426.45,363.49 427.77,364.6 428.23,365.25 428.45,365.77 UD8.9 ; v1(253.96,363.85) 254.03,362.96 254.16,362.28 254.16,353.5 v1(254.21,353.45) 253.85,352.2 253.62,350.96 253.49,347.21 253.42,346.06 253.47,345.15 253.69,343.18
  Bottom w0.15: 387.06,361.98 375.17,362.27 369.85,362.59 369.02,362.6 367.33,362.48 365.85,362.32 359.41,361.69 357.59,361.59 357.09,361.58 347.29,361.91 346.26,362.01 344.9,362.18 341.34,362.65 339.31,362.68 337.78,362.6 335.25,362.63 334.46,362.61 333.46,362.6 330.57,362.49 325.18,362.37 324.41,362.4 323.82,362.35 323.15,362.34 320.12,362.2 315.53,362.28 313.4,362.38 ; 387.06,361.98 387.16,361.98 ; 387.06,361.98 389.37,361.84 390.11,361.83 391.55,361.72 392.13,361.67 392.78,361.61 395.3,361.23 396.99,360.98 399.86,360.32 401.94,359.86 406.05,359.09 408.71,358.65 412.51,358.57 412.98,358.59 413.56,358.58 414.2,358.62 414.99,358.72 415.21,358.69 415.72,358.75 UD8.1 UD8.2 ; v1(253.96,363.85) 255.13,363.85 259.27,363.33 263.33,362.96 269.68,362.92 279.79,363.03 283.86,363.1 291.51,363.23 293.59,363.27 298.39,363.27 298.85,363.17 303.14,363.21 311.49,362.48 313.43,362.38
  Bottom w0.2: UJ3.4 237.16,272.12 237.71,273.19 238.3,274.45 238.96,274.92 240.09,275.32 244.95,275.51 246.79,275.55 248.99,275.59 251.21,275.76 252.56,275.8 252.95,275.8 ; v1(254.06,275.92) 253.38,275.85 252.69,275.8 ; v1(268.95,353.28) 268.95,353.46 268.62,353.79 267.94,353.7 266.98,353.8 265.23,353.73 258.39,353.49 256.57,353.49 v1(254.21,353.45)
J3p5: length 185.9
  Top w0.15: v1(290.38,271.66) 289.92,272.11 289.82,276.18 289.78,276.94 289.85,278.38 289.86,281.65 289.97,283.14 290.06,283.92 290.2,285.11 290.76,287.99 291.05,289.98 291.49,294.9 291.61,296.27 291.86,299.3 291.87,303.04 291.99,303.92 291.79,305.02 291.04,307.76 290.48,309.76 290.48,310.21 289.88,311.5 289.68,316.29 289.77,319.08 289.75,320.82 289.83,340.25 289.91,342.44 v1(290.26,343.28)
  Bottom w0.15: 311.32,343.04 311.47,342.89 311.47,341.56 UE5.6 ; 311.32,343.04 314.48,342.96 315.41,342.86 317.17,342.36 317.49,342.28 318.14,342.09 319.2,341.74 320.38,341.38 320.38,341.36 321.27,341.21 321.88,341.08 323.82,340.73 324.96,340.59 325.62,340.44 326.38,340.33 327.36,340.21 328.56,340.11 329.85,340.07 330.33,340.06 331.29,339.99 332.36,339.8 333.12,339.81 334.41,339.82 335.58,339.8 336.43,339.74 338.55,339.74 339.24,339.69 342.19,339.95 UE6.1 ; 311.32,343.04 302.04,343.04 ; 302.04,343.04 302.05,343.11 301.95,343.2 301.65,343.17 300.9,343.23 298.58,343.23 298.52,343.29 295.11,343.29 ; 302.04,343.04 301.94,342.29 301.89,341.69 301.71,341.02 UE5.2
  Bottom w0.2: v1(290.26,343.28) 292.44,343.28 295.36,343.29 ; UJ3.5 239.72,272.17 ; 239.7,272.12 240.1,272.9 240.85,273.49 241.73,273.89 242.52,274.08 247.37,274.09 249.21,274.1 253.22,274.1 255.04,274.27 257.79,275.05 260.19,275.77 263.5,276.04 273.39,275.69 276.29,275.44 281.96,274.78 287.13,273.42 287.79,273.16 288.81,272.78 ; 288.76,272.81 289.6,272.45 v1(290.38,271.66)
  vias: v1(290.38,310.15)
J3p6: length 104.2
  Bottom w0.15: UJ6.1 341.64,270.44 333.82,270.31 331.53,270.41 329.84,270.73 324.6,271.03 322.45,271.15 321.52,271.24 318.79,271.35 318.28,271.36 317.91,271.39 301.89,271.27 301.09,271.15 300.71,271.16 298.4,271.04 297.89,271.01 294.59,270.67 293.44,270.38 292.57,270.38
  Bottom w0.2: 292.83,270.4 291.68,270.31 290.29,270.27 288.76,270.63 287.43,270.95 284.72,272.26 282.29,272.8 281.4,272.92 272.33,274.13 270.37,274.31 267.4,274.52 262.23,274.17 261.25,274.06 256.89,273.42 255.04,273.12 249.3,272.85 245.74,273.03 243.27,272.8 242.04,272.37 241.79,271.68 UJ3.6
J3p8: length 189.8
  Top w0.15: UL7.11 387,229.56 387.23,229.79 387.23,242.4 v1(387.18,242.46) 387.23,242.51 387.23,242.54 ; 243.63,260.62 v1(243.71,260.7) 243.51,261.45 243.15,264.2 243,265.41 242.91,269.23 242.94,269.25 242.91,269.28 242.92,274.61 243.43,276.25 243.71,277 UJ3.8
  Bottom w0.15: v1(243.71,260.7) 244.34,260.7 244.56,260.74 244.89,260.85 246.15,261.11 247.59,261.3 249.98,261.88 251.14,262.47 252.13,263.12 254.66,265.21 255.72,265.96 257.11,266.99 259.28,267.99 260.27,268.13 261.62,268.07 263.15,268.12 268.97,267.98 270.6,267.98 273.58,267.64 275.58,267.08 277.43,266.45 279.9,265.28 281.83,264.58 282.82,264.23 284.81,264.06 292.73,263.6 294.23,263.68 295.96,263.92 297.33,264.1 299.53,264.22 301.02,264.38 312.47,264.47 322.16,264.11 324.15,263.58 325.16,263.03 325.81,262.57 326.44,262 327.43,260.74 327.84,260.04 328.54,258.64 328.98,257.59 329.3,256.62 329.69,254.76 330.03,253.78 330.48,251.58 330.96,249.99 331.7,248.45 332.63,247.51 333.95,246.6 334.75,246.13 335.39,245.84 336.38,245.53 337.69,245.28 339.32,244.99 343.11,244.64 343.96,244.55 350.27,244.18 351.76,244.07 359.38,243.83 375.61,243.08 380.2,242.93 ; 380.2,242.93 380.23,242.93 ; 380.2,242.93 384.01,242.71 385.45,242.68 386.98,242.65 v1(387.18,242.46)
J3p12: length 273.1
  Top w0.15: v1(372.2,333.87) 372.24,332.74 372.33,331.65 372.45,330.6 372.58,329.46 372.56,328.73 372.63,327.09 372.55,326.49 372.14,325.24 372.23,325.33 371.64,324.23 370.93,322.91 370.41,321.08 370.28,318.17 370.67,315.65 371.02,314.22 371.24,313.3 371.55,312 371.61,311.27 371.48,309.69 ; 371.48,309.94 371.1,308.61 370.49,306.7 370.41,305.32 370.49,303.73 370.79,302.9 371.25,301.22 371.53,300.56 371.68,300.21 371.94,299.51 372.14,298.96 372.41,298.04 372.58,293.78 372.62,290.91 372.67,283.62 372.65,279.07 372.52,278.65 372.23,277.33 371.89,276.64 v1(371.84,276.64) ; UF8.9 428.66,329.78 428.27,331.63 427.82,333.62 427.19,336.32 427.05,337.01 427.02,337.45 426.85,337.81 426.69,338.56 426.56,339.09 426.51,339.55 UE8.5
  Bottom w0.15: 293.08,272.46 312.05,272.67 313.33,272.67 320.13,272.86 321.02,272.93 322.58,272.98 327.99,273.27 330.36,273.4 336.23,273.75 338.62,273.76 346.4,273.9 356.99,274.23 365.58,274.5 368.46,274.99 369.28,275.29 369.8,275.42 370.16,275.57 371.09,276.05 v1(371.84,276.64) ; 293.08,272.46 293.33,272.4 ; 293.08,272.46 291.56,272.85 290.24,273.43 286.44,274.83 285.36,275.12 284.43,275.42 281.78,275.84 279.57,276.12 276.21,276.37 274.68,276.42 270.56,276.89 269.11,276.88 262.09,277.51 260.47,277.58 255.25,277.9 253.08,278.04 252.01,277.99 249.54,277.86 244.11,276.67 240.91,276.52 239.94,276.47 238.32,276.48 237.1,276.52 236.14,276.62 235.55,276.75 UJ3.12 ; UF8.9 429.23,327.27 429.06,326.36 429.02,326.09 428.59,325.3 428.09,324.75 427.19,324.24 426.07,324.04 418.06,324.24 416.44,324.37 414.59,324.8 412.57,326 410.13,327.46 407.91,328.91 407.17,329.28 406.52,329.7 405.61,330.16 403.71,331.16 402.23,332.02 401.21,332.45 400.26,332.66 399.17,332.94 397.6,333.1 396.34,333.33 394.35,333.62 391.18,334.12 388.84,334.16 375.63,334.15 372.31,333.87 v1(372.2,333.87)
J6p8: length 41
  Bottom w0.15: UJ6.8 358.74,277.85 359.13,278.46 360.9,278.58 365.47,278.01 372.33,277.96 374.37,277.3 376.66,276.25 378,275.83 379.12,275.47 385.41,275.18 386.89,275.08 393.78,274.99 395.33,275.71 396.1,276.22 396.68,276.85 397.02,277.23 UJ7.9
J6p13: length 63.2
  Top w0.15: v1(366.8,280.87) 367.12,281.41 367.34,282.41 367.7,283.4 367.8,284.7 367.84,285.25 367.93,286.49 367.7,290.45 367.67,292.44 367.3,296.59 367.05,297.73 366.75,298.64 366.4,299.73 366.11,300.55 365.75,301.64 v1(365.41,302.24)
  Bottom w0.15: UJ6.13 345.72,278.59 346.25,279.24 346.67,279.67 347.12,279.92 347.71,280.14 349.97,280.33 350.49,280.3 351.84,280.5 352.98,280.71 354.98,280.94 355.86,281 356.69,281.09 361.36,280.9 362.91,280.84 364.63,280.75 365.26,280.77 366.1,280.78 v1(366.8,280.87) ; 375.88,301.92 375.18,301.93 369.5,301.98 365.78,302.24 v1(365.41,302.24) ; 375.88,301.92 376.29,301.91 ; 375.88,301.92 378.01,301.92 378.76,301.88 380.07,301.9 381.2,302.28 382.18,302.95 UG7.2
J7p6: length 5.1
  Top w0.15: UJ7.6 392.05,269.72 391.94,268.7 391.52,267.87 391.46,267.49 391.21,266.67 C47.2
J7p7: length 15.5
  Bottom w0.15: CR2.1 401.5,280.76 401.5,280.27 401.4,279.67 401.09,278.47 400.1,276.71 399.3,275.76 398.7,275.24 398.22,274.95 397.65,274.49 396.86,273.97 395.92,273.29 395.27,272.48 394.92,271.89 394.88,271.39 394.68,270.9 UJ7.7
J7p10: length 14.4
  Bottom w0.15: 397.47,282.33 396.85,281.59 396.25,280.94 395.69,280.25 395.24,279.78 394.55,278.59 UJ7.10 ; R69.1 402.51,284.79 401.55,284.61 400.4,284.31 399.66,283.94 398.14,282.77 397.17,282.13
K0p1: length 11
  Top w0.25: UK0.1 115.39,250.28 C57.1
  Bottom w0.2: R57.2 111.92,249.85 UK0.1
K0p3: length 343.4
  Top w0.15: v1(319.75,119.17) 319.53,120.17 319.42,121.23 319.32,123.56 319.2,124.72 318.99,138.83 319.02,153.46 319.21,155.16 319.92,157.04 320.75,158.9 321.22,160.02 321.57,161.35 321.61,162.31 321.67,163.86 321.56,170.66 321.63,171.84 322.1,177.43 322.28,178.33 322.52,180.3 322.73,181.31 322.73,181.84 322.94,183.53 322.91,184.48 323.07,186.22 323.05,224.84 323.05,226.19 322.73,237.44 322.62,238.62 322.53,239.78 322.47,240.68 322.32,241.12 322.16,242.51 322.04,243.59 322.04,244 321.82,245.8 321.63,247 321.5,247.81 321.26,249.91 321.16,250.66 v1(321.14,251.26)
  Bottom w0.15: v1(321.14,251.26) 320.94,251.56 320.34,252.72 320.07,253.55 319.57,254.48 319.07,255.28 318.4,256.34 317.37,257.41 315.59,258.41 313.85,258.73 311.1,258.81 309.72,258.84 308.24,258.77 306.73,258.81 305.67,258.73 303.71,258.73 302.49,258.65 299.47,258.41 296.63,258.2 296.07,258.14 295.14,258.03 293.43,257.97 292.8,258.02
  Bottom w0.2: 270.67,262.09 270.64,262.06 ; UK0.3 120.41,250.46 121.51,249.63 122.41,248.98 123.75,248.9 124.63,248.87 126.23,248.95 127.56,248.94 130.53,248.96 132.16,249.44 133.84,250.48 136.27,253.22 137.42,254.04 138.14,254.57 139.5,255.56 141.61,256.13 143.75,256.35 153.16,256.38 163.67,256.37 181.52,256.27 212.87,256.28 216.67,256.09 217.46,256.07 220.21,255.67 221.2,255.51 225.88,255.18 227.47,255.04 245.18,254.73 247.02,254.88 248.36,255.24 250.97,256.36 253.23,257.65 255.58,258.67 259.06,260.6 261.22,261.3 263.94,262.06 269.08,262.09 ; 292.8,258.02 288.78,258.09 285.48,258.07 281.96,258.52 279.55,259.11 277.71,260.1 272.53,261.84 269.9,262.06 269.2,262.06
K0p5: length 24.1
  Top w0.25: UK0.5 124.98,248.19 C64.1
  Bottom w0.2: R76.2 112.62,254.17 114,254.63 115.59,255.11 122.29,255.32 123.82,255.08 124.74,254.18 125.28,253.1 UK0.5
K0p6: length 351
  Top w0.15: v1(320.94,136.91) 320.94,137.71 320.82,137.91 320.58,139.14 320.47,140.68 320.24,148.22 320.31,153.5 320.53,154.83 321.06,156.24 321.68,157.56 322.52,159.17 322.79,160.89 322.66,171.23 322.79,174.03 323.17,177.37 323.34,178.17 323.78,180.29 323.94,180.92 324.04,185.23 324.13,186.23 324.19,189.3 324.16,190.93 324.26,197.94 324.25,197.95 324.25,208.42 324.26,208.44 324.26,215.61 324.22,216.36 324.06,228.27 324.03,232.49 324.03,233.99 324.1,238.33 324.13,239.53 323.89,244.41 323.79,245.51 323.39,248.74 323.14,250.23 322.92,251.77 322.86,252.08 v1(322.67,252.92)
  Bottom w0.15: v1(320.94,136.91) 321.19,137.44 322.63,138.2 324.06,138.33 324.37,138.34 325.45,138.36 326.71,138.34 327.43,138.34 328.18,138.36 347.58,138.31 349.57,136.89 US6.11 ; v1(322.67,252.92) 322.26,254.05 321.91,254.8 321.68,255.32 320.84,256.49 320.67,256.84 319.84,257.8 318.75,258.75 317.65,259.37 316.03,259.78 313.35,259.92 313.28,259.85 313.2,259.92 304.7,259.78 304.05,259.75 301.37,259.68 300.67,259.66 299.73,259.63 297.23,259.46 296.51,259.42 295.19,259.24 293.95,259.17 292.82,259.07
  Bottom w0.2: UK0.6 128.89,252.94 130.23,254.06 132.78,255.43 135.49,256.48 138.12,257.48 142.22,257.55 145.78,257.55 177.09,257.55 210.47,257.75 225.6,256.19 232.65,255.98 239.81,255.83 242.02,255.82 244.26,255.89 247.18,256.22 249.53,257.05 250.92,257.68 253.1,258.92 256.19,260.46 257.32,261.04 262.01,263.03 265.9,263.36 267.97,263.38 271.93,263.17 274.62,262.29 275.81,261.78 277.56,261.18 278.77,260.71 281.22,259.99 283.74,259.31 286.35,259.17 291.21,259 292.99,259.07
K0p8: length 332.3
  Top w0.15: v1(324.26,254.58) 324.49,254.17 324.51,253.81 324.61,252.74 324.88,249.42 325.21,241.98 325.35,241.31 325.41,206.87 325.28,183.86 325.2,182.3 325.04,180.97 324.66,179 324.38,177.38 324.28,176.55 324.02,175.16 324.02,161.72 ; 324.05,161.7 324.02,161.72 ; 324.02,161.72 323.88,160.28 323.58,158.77 323.18,157.38 322.79,155.95 322.68,155.33 322.26,152.6 v1(322.47,152.26)
  Bottom w0.15: 292.94,260.35 292.99,260.4 297.62,260.52 299.02,260.62 299.56,260.61 301.5,260.69 302.64,260.7 304.78,260.84 308.41,261.04 309.39,261.07 311.34,260.95 311.95,261 315.29,260.79 316.42,260.72 317.3,260.63 318.65,260.35 319.95,259.72 322.54,257.02 322.82,256.75 323.15,256.42 323.73,255.82 324.05,255.41 v1(324.26,254.58) ; UR6.11 350.07,152.3 349.29,153.35 348.6,153.61 345.99,153.72 344.02,153.69 342.75,153.7 341.11,153.66 339.01,153.31 336.51,152.79 333.66,152.2 333.63,152.23 331.56,151.89 330.02,151.82 328.08,151.9 326.53,152.1 323.62,152.28 v1(322.47,152.26)
  Bottom w0.2: 292.94,260.35 284.53,260.32 283,260.54 281.22,261.02 279.18,261.78 276.62,262.77 275.54,263.36 272.67,264.34 268.69,264.59 266.49,264.61 264.89,264.59 261.49,264.23 258.78,263.2 257.34,262.55 255.04,261.22 252.75,259.92 251.93,259.43 251.15,259.11 249.48,258.13 247.65,257.35 245.52,256.88 227.6,257.17 220.63,257.94 218.28,258.14 212.23,258.77 209.56,258.92 208.59,258.93 198.47,258.82 158.46,258.76 156.31,258.82 140.9,258.99 137.14,259.05 130.69,259.3 UK0.8
K0p10: length 20.1
  Top w0.25: UK0.10 125.55,259.25 125.55,260.37 125.48,261.55 C72.1
  Bottom w0.15: UK0.10 125.07,258.2 124.53,257.56 123.8,257.47 123.35,257.43 117.31,257.32 115.79,257.25 114.98,257.2 113.52,257.12 R4.2
K0p11: length 319.1
  Top w0.15: v1(325.86,256.44) 326.02,255.66 326.22,254.85 326.35,245.38 326.58,239.27 326.58,228.62 326.59,228.61 326.51,189.83 326.49,188.18 326.31,182.41 326.27,181.65 326.23,181.39 326.07,178.77 326,177.53 325.94,176.64 325.96,176.74 325.88,176.04 v1(325.73,175.05)
  Bottom w0.15: 292.82,261.38 294.77,261.46 297.05,261.59 298.35,261.69 300.4,261.72 302.36,261.87 304.2,261.89 304.99,261.89 306.91,261.99 308.3,262.09 308.8,262.09 310.11,262.07 310.44,262.08 312.77,261.98 314.29,261.97 315.54,261.81 316.45,261.75 317.62,261.69 318.89,261.56 322.11,260.66 324.02,258.96 324.13,258.82 324.35,258.62 324.97,257.86 325.22,257.53 325.56,256.96 325.67,256.7 v1(325.86,256.44) ; UP6.11 350.35,171.21 350.18,171.75 349.82,172.39 349.08,173.36 348.84,173.64 347.99,174.24 347.43,174.38 346.57,174.42 345.94,174.39 345.66,174.38 344.42,174.42 343.83,174.46 343.17,174.46 341.84,174.56 341.61,174.55 340.75,174.62 340.07,174.64 339.6,174.7 331.89,174.89 v1(325.73,175.05)
  Bottom w0.2: UK0.11 122.94,260.09 123.2,260.22 123.63,260.82 124.98,261.65 132.61,261.55 133.87,261.36 137.19,261.09 138.82,260.89 141.19,260.59 143.04,260.51 146.74,260.07 148.06,260.07 149.33,260.08 153.97,260.06 161.08,259.93 163.35,259.93 168.2,259.9 168.99,259.87 169.47,259.9 181.97,259.92 182.02,259.96 189.07,259.96 189.75,259.94 199.1,259.84 199.13,259.81 199.79,259.85 210.85,259.92 211.31,259.95 213.11,259.8 216.63,259.4 223.53,258.65 225.35,258.39 233.04,258.21 235.2,258.31 241.08,258.11 242.42,257.9 245.55,257.97 247.5,258.57 250.09,259.68 253.51,261.45 255.82,263.08 257.94,264.29 259.49,264.87 262.54,265.5 266.96,265.73 266.98,265.72 271.87,265.72 272.81,265.53 275.01,264.89 276.01,264.55 278.56,263.39 281.9,262.01 288.21,261.67 292.93,261.37
K0p13: length 10.9
  Bottom w0.2: R75.2 114.42,262.04 115.23,262.45 C71.1 116.41,263.15 117.24,261.93 117.68,260.58 UK0.13
K1p3: length 51
  Bottom w0.2: UK2.6 200.95,252.85 200.37,252.26 199.93,251.91 199,251.42 197.73,251.31 195.88,251.14 193.21,250.94 187.14,250.57 185.85,250.47 185.46,250.45 177.56,250.39 172,250.37 160.62,250.68 158.77,251.1 156.23,251.18 155.02,251.42 153.48,252.83 UK1.3
K1p5: length 367.4
  Top w0.15: UK1.5 158.25,249.47 158.42,249.31 v1(158.42,249.27) 158.45,249.27 158.49,249.23 ; v1(333.57,202.62) 333.21,205.08 333.11,205.92 333.2,209.17 333.97,210.6 334.48,211.71 334.94,212.85 335.21,214.42 335.21,215.35 335.34,222.1 335.35,222.6 335.57,228.62 335.34,235.72 335.34,236.21 335.15,238.23 335.13,238.25 334.91,240.78 334.72,242.12 v1(334.56,242.89) ; v1(142.14,248.54) 142.47,248.08 142.54,245.95 142.24,240.7 142.21,236.15 142.27,235.52 142.49,228.47 142.33,226.09 142.28,224.91 142.06,223.86 141.91,221.63 140.69,216.5 140.18,213.39 139.92,212.39 139.64,210.19 139.52,207.55 139.15,204.21 138.72,199.54 138.27,198.51 138.13,190.71 138.12,188.71 138.01,187.22 137.74,185.3 137.65,183.75 137.27,180.73 136.72,177.04 136.42,175.77 136.26,174.22 136.1,172.83 136.12,172.53 v1(136.12,172.12)
  Bottom w0.15: v1(334.56,242.89) 334.55,242.89 333.49,243.54 332.34,244.08 331.7,244.33 329.6,245.4 326.93,246.59 324.71,247.7 322.85,248.52 320.47,250.02 320.14,250.38 319.69,250.94 318.5,252.6 318.32,252.88 317.79,253.76 317.14,254.88 315.93,256.07 314.03,257.24 313.14,257.49 306.79,257.44 305.27,257.44 301.18,257.38 298.62,257.21 296.07,257.14 295.2,256.95 294.92,256.9 292.87,256.95 ; UM6.5 353.14,205.18 352.9,205.42 352.24,206.02 351.39,206.41 350.73,206.51 346.21,206.57 345.14,206.55 343.42,206.57 342.08,206.43 340.53,205.77 338.5,204.68 337.02,203.99 334.59,202.99 v1(333.57,202.62)
  Bottom w0.2: v1(136.12,172.12) 134.78,172.35 131.33,172.73 130.14,172.8 126.56,172.79 123.53,172.79 123.41,172.76 123.1,172.82 117.89,172.71 116.61,172.35 116.07,171.87 115.56,170.97 UP0.12 ; v1(142.14,248.54) 142.35,248.54 142.89,248.69 144.36,248.72 144.77,248.69 146.07,248.72 148.35,248.89 149.28,248.96 151.35,249.13 152.36,249.19 157.2,249.07 v1(158.42,249.27) 182.7,249.12 189.63,249.43 193.78,249.75 197.73,250.05 201.24,250.49 202.3,250.74 204.82,251.18 206.84,251.8 209.03,252.39 210.2,252.67 212.26,253.13 213.31,253.39 216.6,253.85 217.85,254.04 221.55,254.13 224.55,254.09 227.83,253.94 229.36,253.86 231.23,253.83 233.24,253.73 238.39,253.72 246.37,253.76 247.26,253.91 247.8,254.04 251.52,255.3 253.03,256.08 253.68,256.35 254.37,256.71 255.63,257.45 257.43,258.45 259.57,259.28 261.59,260.09 264.48,260.85 265.11,260.94 266.5,261.08 269.36,261.01 272.89,260.3 274.9,259.69 275.72,259.26 279.41,258.23 280.73,257.79 281.38,257.61 284.16,257.13 286.72,257 289.04,256.95 292.87,256.95 292.88,256.96
